# Altium PCB Fri3D_2020_01.PcbDoc (part 2 of 3)
Units mm, origin at the board's own origin, x right, y up, seen from the top; angles counter-clockwise.
Board outline 110 x 100 mm, 2 copper layers (Top Layer, Bottom Layer), stack 1.571 mm thick; 144 components, 114 nets, 669 pads, 306 vias.
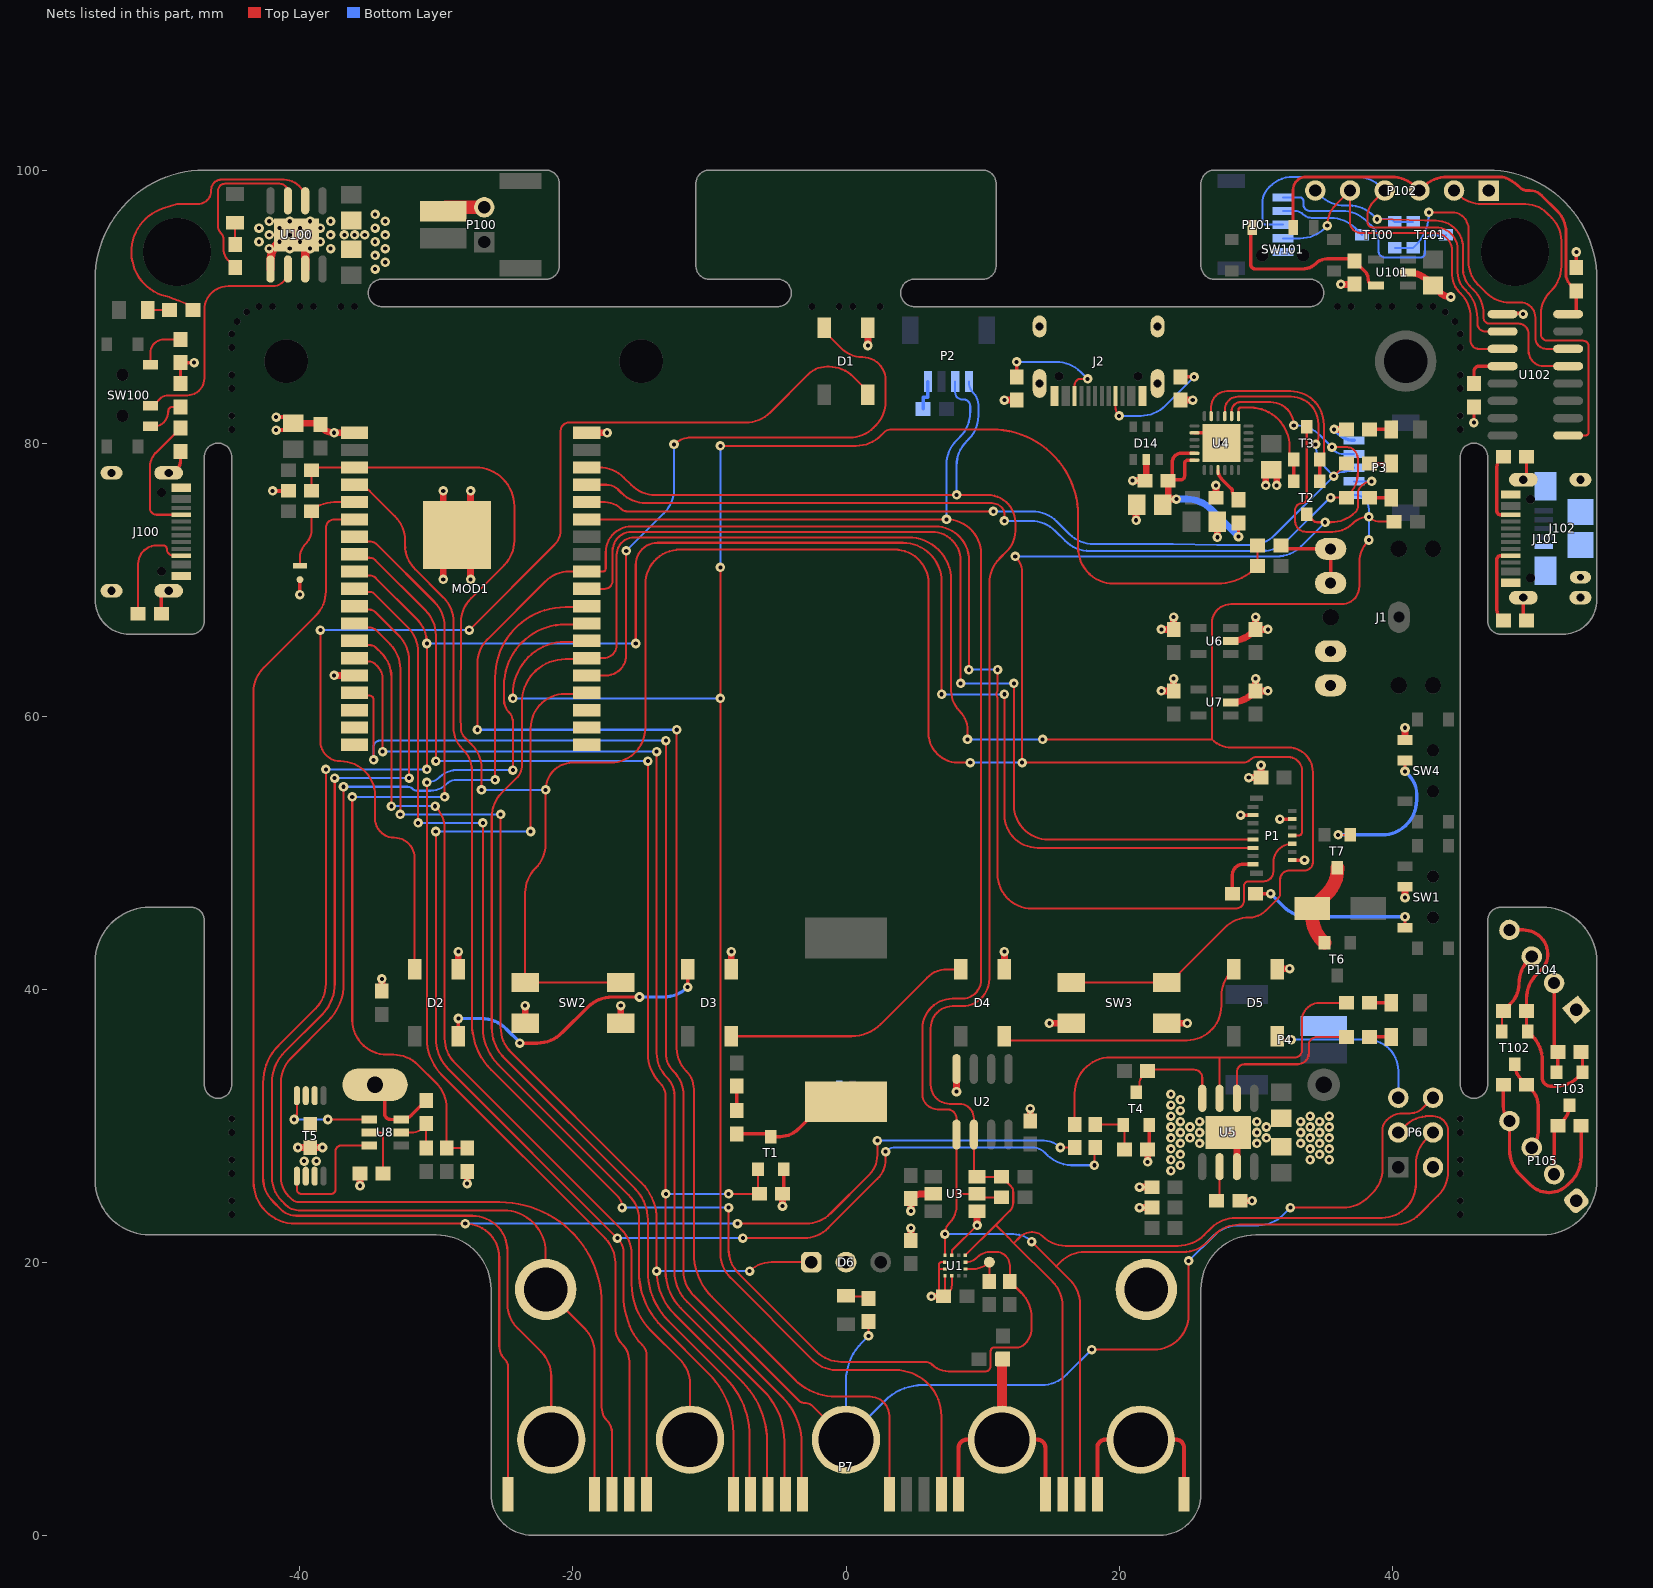
[diagram p2: the nets of this part, all layers, seen from the top]

## Via types
v1: diameter 0.7, hole 0.3, Top Layer to Bottom Layer, tented top, 306 vias

## Nets (pads, with @x,y where several pads share a name; then routed paths per layer and width w, separated by ;. In a path a pad name is that pad's centre, name@x,y a point inside that pad or via, vN(x,y) a via of type N, cw(c..) or ccw(c..) an arc to the next point about the centre after c; other vN are vias at no path point) (continued)
3V3_USB: C13.1 C14.2 R11.1 U4.5 U4.6 | length 16.2
  Top Layer w0.25: C13.1@23.6,77.25 cw(c23.65,77.25) 23.65,77.3 C13.1@23.766,77.3 ; U4.6@25.525,78.75 25.05,78.75 ccw(c25.05,78.5) 24.8,78.5 24.8,77.6 cw(c24.5,77.6) 24.5,77.3 C13.1@23.766,77.3 ; U4.5@25.525,79.25 24.55,79.25 ccw(c24.55,78.6) 23.9,78.6 23.9,77.55 cw(c23.6,77.55) C13.1@23.766,77.3 ; v1@28.75,73.25 R11.1@28.75,74.15
  Top Layer w0.5: C13.1@23.6,77.25 C14.2@23.6,75.9 ; v1(24.2,75.9) C14.2@23.6,75.9 ; C14.2@23.6,75.9 ccw(c23.6,75.5) C14.2@23.2,75.5 ccw(c23.2,75.9) C14.2@23.6,75.9
  Bottom Layer w0.5: v1(24.2,75.9) 24.948,75.9 cw(c24.948,73.36) 26.744,75.156 v1(28.75,73.15)
ACC.INT2: R3.2 TP1.1 U1.11 | length 3.3
  Top Layer w0.15: U1.11@8.75,19.5 9.293,19.5 ccw(c9.293,21.207) TP1.1@10.5,20 R3.2@10.5,18.6
BAT.MON: MOD1.7 R12.2 R17.1 | length 60.2
  Top Layer w0.15: v1(-36.167,54.089) -36.167,37.74 ccw(c-33.627,37.74) -33.627,35.2 -33.152,35.2 cw(c-33.152,32.66) -31.356,34.456 -29.994,33.094 cw(c-31.79,31.298) -29.25,31.298 R12.2@-29.25,28.35 R17.1@-27.75,28.35 ; MOD1.7@-36,73.138 -35.662,72.8 -34.9,72.8 cw(c-34.9,72.044) -34.366,72.579 ; -34.366,72.579 -30.144,68.357 cw(c-31.94,66.561) -29.4,66.561 v1(-29.4,54.089)
  Bottom Layer w0.15: v1(-36.167,54.089) v1(-29.4,54.089)
C\H\R\G\: R19.2 R24.2 U5.7 | length 29.9
  Top Layer w0.15: R19.2@16.75,30.1 16.75,32.36 cw(c19.39,32.36) 19.39,35 27.365,35 ; U5.7@27.365,32 27.365,35 ; R24.2@36.65,39 34.7,39 ccw(c34.7,37.7) 33.4,37.7 33.4,35.5 cw(c32.9,35.5) 32.9,35 27.365,35
CHARGER.E\N\: R18.2 R28.1 T4.1 | length 3.9
  Top Layer w0.15: R18.2@18.25,30.1 20.179,30.1 cw(c20.179,29.929) T4.1@20.3,30.05 cw(c20.058,29.808) 20.4,29.808 R28.1@20.4,28.25
CP2102.DTR: T2.1 T3.2 U4.23 | length 15.3
  Top Layer w0.15: U4.23@26.75,81.975 26.75,82.65 cw(c27.9,82.65) 27.9,83.8 32.56,83.8 cw(c32.56,81.36) 35,81.36 35,79.1 cw(c34.7,79.1) T3.2@34.7,78.8
  Top Layer w0.25: T2.1@34.7,77.2 T3.2@34.7,78.8
CP2102.RTS: T2.2 T3.1 U4.19 | length 8.6
  Top Layer w0.158: U4.19@28.75,81.975 28.75,82.45 cw(c28.9,82.45) 28.9,82.6 29.612,82.6 cw(c29.612,79.712) 32.5,79.712 32.5,79.1 ccw(c32.8,79.1) T3.1@32.8,78.8
  Top Layer w0.25: T2.2@32.8,77.2 T3.1@32.8,78.8
D.3V3: C104.1 SW101.1 U101.5 | length 13.4
  Top Layer w0.25: SW101.1@29.75,95.8 ccw(c29.75,95.687) 29.637,95.687 29.637,93.113 ccw(c30,93.113) 30,92.75 33.439,92.75 ccw(c33.439,94.104) 34.396,93.146 cw(c35.25,92.293) 35.25,93.5 37.1,93.5 cw(c37.1,93.35) C104.1@37.25,93.35 38.003,92.597 cw(c37.405,92) 38.25,92 ccw(c38.7,92) 38.7,91.55 U101.5@38.825,91.55
D.BOOT: P101.5 T101.3 | length 16
  Bottom Layer w0.15: P101.5@32,98 33.25,98 cw(c33.25,97.75) 33.5,97.75 33.5,97.5 ccw(c34,97.5) 34,97 36.348,97 cw(c36.348,94.46) 38.144,96.256 38.646,95.754 cw(c37.793,94.9) 39,94.9 39,94.1 ccw(c39.5,94.1) 39.5,93.6 42.1,93.6 ccw(c42.1,93.9) 42.268,93.651 ccw(c42.1,93.9) 42.4,93.9 42.4,94.683 cw(c42.917,94.683) 42.917,95.2 43.9,95.2 ccw(c43.9,95.25) T101.3@43.95,95.25
D.C\T\S\: P102.2 U102.9 | length 28.8
  Top Layer w0.15: P102.2@44.54,98.5 44.796,98.244 ccw(c46.592,100.04) 46.592,97.5 49.789,97.5 cw(c49.789,95.301) 51.344,96.856 51.7,96.5 cw(c50.01,94.81) 52.4,94.81 52.4,92.952 cw(c49.86,92.952) 51.656,91.156 51.6,91.1 ccw(c53.29,89.41) 50.9,89.41 50.9,88 ccw(c51.4,88) 51.4,87.5 54,87.5 cw(c54,87.097) 54.403,87.097 54.403,80.803 cw(c54.155,80.803) 54.155,80.555 U102.9@52.9,80.555
D.D\T\R\: P102.6 T100.1 T101.2 U102.13 | length 29.6
  Top Layer w0.15: v1(38.9,96.4) 42.422,96.301 42.441,96.3 43.2,96.3 cw(c43.2,94.3) 45.2,94.3 45.2,92.707 ccw(c46.907,92.707) 45.7,91.5 45.956,91.244 cw(c44.16,89.448) 46.7,89.448 46.7,89.2 ccw(c47.15,89.2) 47.15,88.75 49.25,88.75 cw(c49.25,88) 50,88 50,86.75 ccw(c51.115,86.75) 51.115,85.635 U102.13@52.9,85.635
  Bottom Layer w0.15: P102.6@34.38,98.5 34.736,98.144 ccw(c36.532,99.94) 36.532,97.4 36.848,97.4 cw(c36.848,94.86) 38.644,96.656 v1(38.9,96.4) 39.717,96.4 cw(c39.717,95.717) T100.1@40.2,96.2 T101.2@41.55,96.2
D.R\T\S\: T100.2 T101.1 U102.14 | length 21.8
  Top Layer w0.15: v1(42.7,96.9) 44.4,96.9 cw(c44.4,95.7) 45.6,95.7 45.6,93.29 ccw(c47.99,93.29) 46.3,91.6 46.856,91.044 ccw(c48.652,92.84) 48.652,90.3 49.4,90.3 cw(c49.4,89.2) 50.5,89.2 50.5,87.7 ccw(c51.295,87.7) 51.295,86.905 U102.14@52.9,86.905
  Bottom Layer w0.15: T100.2@40.2,94.3 T101.1@41.55,94.3 41.71,94.46 ccw(c39.324,96.849) 42.7,96.849 v1(42.7,96.9)
D.RESET: P101.4 T100.3 | length 6.3
  Bottom Layer w0.15: P101.4@32,97 32.896,97 cw(c32.896,96.146) 33.5,96.75 ccw(c34.104,97.354) 34.104,96.5 35.5,96.5 cw(c35.5,93.965) 37.292,95.758 T100.3@37.8,95.25
D.RXD: P101.2 P102.5 U102.3 | length 27.3
  Top Layer w0.15: v1(35.25,95.925) cw(c37.435,95.925) 35.89,97.47 P102.5@36.92,98.5 36.92,96.18 ccw(c37.7,96.18) 37.7,95.4 43.077,95.4 cw(c43.077,94.077) 44.4,94.077 44.4,92.307 ccw(c46.107,92.307) 44.9,91.1 45.006,90.994 cw(c43.21,89.198) 45.75,89.198 45.75,87.5 ccw(c46.345,87.5) 46.345,86.905 U102.3@48.1,86.905
  Bottom Layer w0.15: P101.2@32,95 33.273,95 ccw(c33.273,97.54) 35.069,95.744 v1(35.25,95.925)
D.TXD: P101.3 P102.4 U102.2 | length 31.8
  Top Layer w0.15: 38.679,97.719 ccw(c39.839,96.561) 38.2,96.561 38.2,96.2 ccw(c38.6,96.2) 38.6,95.8 43.2,95.8 cw(c43.2,94.2) 44.8,94.2 44.8,92.5 ccw(c46.49,92.5) 45.295,91.305 45.404,91.196 cw(c43.365,89.155) 46.25,89.155 ; 38.68,97.72 P102.4@39.46,98.5 ; 46.25,89.154 46.25,88.75 ccw(c46.825,88.75) 46.825,88.175 U102.2@48.1,88.175
  Bottom Layer w0.15: P101.3@32,96 30.75,96 cw(c30.75,96.25) 30.5,96.25 30.5,97.543 cw(c32.207,97.543) 31,98.75 31.043,98.793 cw(c32.75,97.086) 32.75,99.5 37.408,99.5 cw(c37.408,96.96) 39.204,98.756 P102.4@39.46,98.5
D.V: C103.1 P102.3 SW101.2 U102.16 | length 32.7
  Top Layer w0.2: SW101.2@32.75,95.8 32.75,98.55 cw(c33.7,98.55) 33.7,99.5 39.948,99.5 cw(c39.948,96.96) 41.744,98.756 P102.3@42,98.5 42.256,98.756 cw(c44.052,96.96) 44.052,99.5 47.947,99.5 47.948,99.5 cw(c47.948,98.515) 48.326,99.425 cw(c47.072,96.401) 49.388,98.715 ccw(c49.907,99.236) 49.907,98.5 50.1,98.5 cw(c50.1,97.293) 50.953,98.147 52.1,97 cw(c50.531,95.431) 52.75,95.431 52.75,92.214 52.75,92.188 ccw(c54.154,92.545) 53.13,91.52 53.131,91.519 C103.1@53.5,91.15
  Top Layer w0.25: U102.16@52.9,89.445 53.5,89.445 C103.1@53.5,91.15
DNU_SPI.CLK: MOD1.20
DNU_SPI.CS0: MOD1.19
DNU_SPI.D: MOD1.22
DNU_SPI.HD: MOD1.17
DNU_SPI.Q: MOD1.21
DNU_SPI.WP: MOD1.18
ESP.IO0: MOD1.25 P3.5 P7.9 R7.2 SW3.1 T3.3 | length 219.7
  Top Layer w0.15: P7.9@-6.985,3 cw(c-6.804,3.181) -7.06,3.181 -7.06,7.231 ccw(c-13.161,7.231) -8.847,11.545 -13.012,15.71 cw(c-9.378,19.345) -14.518,19.345 -14.518,23.116 ccw(c-17.708,23.116) -15.452,25.371 -25.016,34.935 cw(c-22.76,37.191) -25.95,37.191 -25.95,52.598 cw(c-23.41,52.598) -25.206,54.394 -24.068,55.532 ccw(c-24.836,56.3) -23.75,56.3 -23.75,60.983 cw(c-20.56,60.983) -20.56,64.173 -19.181,64.173 ccw(c-19.181,64.429) MOD1.25@-19,64.248 -17.752,64.248 ccw(c-17.752,65.2) -16.8,65.2 -16.8,71.8 cw(c-15.5,71.8) -15.5,73.1 4.559,73.1 cw(c4.559,69.959) 7.7,69.959 7.7,61.849 ccw(c9.749,61.849) 8.3,60.4 cw(c6.851,58.951) 8.9,58.951 v1(8.9,58.3) ; v1(14.4,58.3) 26.8,58.3 ; SW3.1@16.5,40.5 SW3.1@23.5,40.5 ccw(c23.5,41.104) 23.927,40.677 27.756,44.506 cw(c29.552,42.71) 29.552,45.25 ccw(c29.552,46.935) 30.743,45.743 31.659,46.659 ccw(c31.317,47) 31.8,47 31.8,48 cw(c32.5,48) 32.5,48.7 33.6,48.7 ccw(c33.6,49.3) 34.2,49.3 34.2,55.9 ccw(c32.4,55.9) 32.4,57.7 28.249,57.7 cw(c28.249,59.749) 26.8,58.3 ; T3.3@33.75,81.2 33.75,75.926 cw(c33.424,75.926) 33.424,75.6 ccw(c33.424,75.076) 32.9,75.076 32.9,74.3 ccw(c33.7,74.3) 33.7,73.5 35.644,73.5 ccw(c35.644,75.566) 37.105,74.105 cw(c38.3,72.91) v1(38.3,74.6) ccw(c39.145,75.445) 39.145,74.25 R7.2@40.15,74.25 ; v1(38.3,72.9) ccw(c39.99,71.21) 37.6,71.21 37.6,69.5 cw(c36.3,69.5) 36.3,68.2 28.2,68.2 ccw(c28.2,66.8) 26.8,66.8 26.8,58.3
  Bottom Layer w0.15: v1(8.9,58.3) v1(14.4,58.3) ; P3.5@37.225,76.2 37.276,76.2 cw(c37.276,75.176) 38,75.9 cw(c37.276,75.176) 38.3,75.176 v1(38.3,74.6) v1(38.3,72.9)
ESP.IO2: D1.4 MOD1.24 | length 45.6
  Top Layer w0.15: MOD1.24@-19,62.978 -17.6,62.978 ccw(c-17.6,64.478) -16.279,63.767 ccw(c-17.6,64.478) -16.112,64.288 ccw(c-17.6,64.478) -16.1,64.478 v1(-16.1,72.1) ; v1(-12.6,79.9) cw(c-11.393,78.693) -11.645,80.381 cw(c-11.393,78.693) -11.393,80.4 0.248,80.4 ccw(c0.248,82.94) 2.044,81.144 2.156,81.256 ccw(c0.36,83.052) 2.9,83.052 2.9,84.6 ccw(c1.2,84.6) 1.2,86.3 cw(c1.2,88.473) -0.336,86.936 -1.423,88.023 cw(c-0.996,88.45) D1.4@-1.6,88.45
  Bottom Layer w0.15: v1(-16.1,72.1) -13.344,74.856 ccw(c-15.14,76.652) -12.6,76.652 v1(-12.6,79.9)
ESP.IO4: MOD1.26 P7.17 R35.2 R36.1 | length 159.1
  Top Layer w0.15: v1(-24.4,61.3) -24.4,61.603 cw(c-20.56,61.603) -20.56,65.443 -19.181,65.443 ccw(c-19.181,65.699) MOD1.26@-19,65.518 ; v1(-9.2,70.9) v1(-9.2,61.3) -9.2,20.652 ccw(c-6.66,20.652) -8.456,18.856 -2.387,12.787 -2.386,12.786 ccw(c-0.73,14.443) -0.73,12.1 3.613,12.1 cw(c3.613,8.728) 6.985,8.728 P7.17@6.985,3 ; v1(-9.2,79.8) 0.748,79.8 ccw(c0.748,82.34) 2.544,80.544 2.756,80.756 cw(c3.345,80.167) 3.345,81 10.689,81 cw(c10.689,74.689) 17,74.689 17,72.334 ccw(c19.634,72.334) 19.634,69.7 27.192,69.7 ccw(c27.192,73.703) 30.023,70.873 R35.2@30.15,71 R36.1@30.15,72.5
  Bottom Layer w0.15: v1(-24.4,61.3) v1(-9.2,61.3) ; v1(-9.2,70.9) v1(-9.2,79.8)
ESP.IO5: MOD1.29 P1.9 | length 72.7
  Top Layer w0.15: MOD1.29@-19,69.328 -17.672,69.328 ccw(c-17.672,69.9) -17.1,69.9 -17.1,72.1 cw(c-15.7,72.1) -15.7,73.5 6.282,73.5 cw(c6.282,71.382) 8.4,71.382 v1(8.4,62.4) ; v1(12.3,62.4) 12.3,53.49 ccw(c14.84,53.49) 14.84,50.95 P1.9@29.813,50.95
  Bottom Layer w0.15: v1(8.4,62.4) v1(12.3,62.4)
ESP.IO12: MOD1.14 P7.12 | length 86.6
  Top Layer w0.15: MOD1.14@-36,64.248 -35.752,64 -34.9,64 cw(c-34.9,63.462) -34.52,63.843 -34.313,63.637 cw(c-35.191,62.759) -33.95,62.759 v1@-33.95,57.4 ; v1(-13.868,57.4) -13.868,35.315 ccw(c-11.385,35.315) -13.14,33.56 cw(c-14.523,32.177) -12.568,32.177 -12.568,19.345 ccw(c-9.378,19.345) -11.633,17.089 -4.668,10.124 cw(c-8.092,6.7) -3.25,6.7 -3.25,3.181 ccw(c-2.994,3.181) P7.12@-3.175,3
  Bottom Layer w0.15: v1(-33.941,57.4) v1(-13.868,57.4)
ESP.IO13: MOD1.16 P6.6 P7.13 R13.2 | length 152.2
  Top Layer w0.15: MOD1.16@-36,61.71 -35.79,61.5 -34.9,61.5 cw(c-34.9,61.2) -34.6,61.2 v1(-34.6,56.8) ; v1(-13.2,58.2) -13.2,35.315 ccw(c-11.385,35.315) -12.668,34.032 cw(c-14.523,32.177) -11.9,32.177 -11.9,19.352 ccw(c-9.36,19.352) -11.156,17.556 -3.441,9.841 ccw(c-3.1,10.183) -3.1,9.7 -3.054,9.7 cw(c-3.054,8.846) -2.45,9.45 P7.13@0,7 ; v1(1.65,14.6) R13.2@1.65,15.65 ; v1(18,13.6) 22.56,13.6 ccw(c22.56,16.14) 25.1,16.14 v1(25.1,20.1) ; v1(32.55,23.992) 36.398,23.992 ccw(c36.398,26.634) 38.266,24.766 38.556,25.056 ccw(c36.76,26.852) 39.3,26.852 39.3,29.676 cw(c40.324,29.676) 39.6,30.4 cw(c40.807,29.193) 40.807,30.9 41.3,30.9 ccw(c41.3,32.252) 42.256,31.296 P6.6@43,32.04
  Bottom Layer w0.15: v1(-34.6,56.8) -34.6,57.767 cw(c-34.167,57.767) -34.167,58.2 v1(-13.2,58.2) ; 0,10.374 P7.13@0,7 2.856,9.856 cw(c5.618,7.094) 5.618,11 14.302,11 ccw(c14.302,13.651) 16.177,11.777 v1(18,13.6) ; 0,10.375 0,11.309 ; 0,11.31 cw(c3.959,11.31) 1.16,14.11 v1(1.65,14.6) ; v1(25.1,20.1) 26.956,21.956 cw(c28.752,20.16) 28.752,22.7 30.206,22.7 ccw(c30.206,25.24) 32.002,23.444 v1(32.55,23.992)
ESP.IO14: MOD1.13 P7.7 | length 70.4
  Top Layer w0.15: MOD1.13@-36,65.518 -35.682,65.2 -34.9,65.2 cw(c-34.9,64.493) -34.4,64.993 -34.044,64.637 cw(c-35.84,62.841) -33.3,62.841 v1(-33.3,53.4) ; v1(-30.1,53.4) cw(c-31.79,51.71) -29.4,51.71 -29.4,36.391 ccw(c-26.86,36.391) -28.656,34.595 -16.466,22.404 cw(c-18.312,20.557) -15.7,20.557 -15.7,18.391 ; -15.7,18.39 ccw(c-10.896,18.39) -14.293,14.993 -14.292,14.992 -12.174,12.874 cw(c-13.97,11.078) -11.43,11.078 P7.7@-11.43,7
  Bottom Layer w0.15: v1(-33.3,53.4) v1(-30.1,53.4)
ESP.IO15: MOD1.23 P7.6 R18.1 | length 114.5
  Top Layer w0.15: v1(-30.05,51.55) -30.05,36.391 ccw(c-26.86,36.391) -29.116,34.135 v1(-16.744,21.763) cw(c-17.816,20.691) -16.3,20.691 -16.3,17.609 ; v1(-23.1,51.55) -23.1,59.095 cw(c-20.56,59.095) -20.56,61.635 -19.181,61.635 ccw(c-19.181,61.891) MOD1.23@-19,61.71 ; -16.3,17.608 ccw(c-10.283,17.608) -15.842,15.306 ; -15.842,15.305 ccw(c-11.968,16.91) -14.932,13.944 cw(c-15.726,13.153) -14.605,13.153 P7.6@-14.605,3 ; v1(-7.553,21.763) -3.089,21.763 ccw(c-3.089,24.303) -1.293,22.507 2.3,26.1 ; 2.3,26.1 ccw(c0.851,27.549) 2.9,27.549 v1(2.9,28.1) ; v1(18.2,27.1) 18.2,28.28 cw(c18.37,28.28) R18.1@18.25,28.4
  Bottom Layer w0.15: v1(-30.05,51.55) v1(-23.1,51.55) ; v1(-16.744,21.763) v1(-7.553,21.763) ; v1(2.9,28.1) cw(c3.624,27.376) 3.624,28.4 13.634,28.4 cw(c13.634,27.034) 14.6,28 14.756,27.844 ccw(c16.552,29.64) 16.489,27.101 ccw(c16.552,29.64) 16.552,27.1 v1(18.2,27.1)
ESP.IO16: MOD1.27 P7.5 | length 79.4
  Top Layer w0.15: v1(-30.7,55.15) -30.7,36.391 ccw(c-26.86,36.391) -29.575,33.675 -17.644,21.744 cw(c-19.44,19.948) -16.9,19.948 -16.9,15.207 ccw(c-15.193,15.207) -16.4,14 cw(c-17.667,12.733) -15.875,12.733 P7.5@-15.875,3 ; v1(-24.4,56.05) -24.4,59.576 ccw(c-25.424,59.576) -24.7,60.3 cw(c-23.855,61.145) -25.05,61.145 -25.05,62.223 cw(c-20.56,62.223) -20.56,66.713 -19.181,66.713 ccw(c-19.181,66.969) MOD1.27@-19,66.788
  Bottom Layer w0.15: v1(-30.7,55.15) ccw(c-30.7,56.478) -29.761,55.539 cw(c-28.527,54.305) -28.527,56.05 v1(-24.4,56.05)
ESP.IO17: MOD1.28 P7.4 | length 101.8
  Top Layer w0.15: v1@-36.8,54.826 -36.8,40.391 cw(c-40.64,40.391) -37.925,37.675 -40.656,34.944 ccw(c-38.86,33.148) -41.4,33.148 -41.4,26.2 ccw(c-39.469,26.2) -40.834,24.834 -40.612,24.612 ccw(c-40.1,25.124) -40.1,24.4 -25.38,24.4 cw(c-25.38,16.92) -17.9,16.92 -17.9,9.366 ccw(c-16.534,9.366) -17.5,8.4 cw(c-18.357,7.543) -17.145,7.543 P7.4@-17.145,3 ; v1(-25.7,55.326) -25.7,62.843 cw(c-20.56,62.843) -20.56,67.983 -19.181,67.983 ccw(c-19.181,68.239) MOD1.28@-19,68.058
  Bottom Layer w0.15: v1(-36.812,54.826) -32.129,54.826 cw(c-32.129,54.286) -31.747,54.668 ccw(c-31.419,54.996) -31.419,54.532 -30.429,54.532 ccw(c-30.429,56.129) -29.3,55 cw(c-28.512,54.212) -28.512,55.326 v1(-25.7,55.326)
ESP.IO25: MOD1.10 P7.8 | length 80.3
  Top Layer w0.15: MOD1.10@-36,69.328 -35.772,69.1 -34.9,69.1 cw(c-34.9,68.61) -34.553,68.956 -32.094,66.497 cw(c-33.89,64.701) -31.35,64.701 v1(-31.35,52.175) ; v1(-26.6,52.175) -26.6,37.191 ccw(c-22.76,37.191) -25.475,34.475 -15.912,24.912 cw(c-17.708,23.116) -15.168,23.116 -15.168,19.345 ccw(c-9.378,19.345) -13.472,15.251 -10.042,11.821 cw(c-14.356,7.507) -8.255,7.507 P7.8@-8.255,3
  Bottom Layer w0.15: v1(-31.35,52.175) v1(-26.6,52.175)
ESP.IO26: MOD1.11 P7.3 pad.0@-22,18 | length 93.4
  Top Layer w0.15: v1@-37.45,55.463 -37.45,40.391 cw(c-40.64,40.391) -38.384,38.135 -41.116,35.404 ccw(c-38.86,33.148) -42.05,33.148 -42.05,26.2 ccw(c-39.639,26.2) -41.344,24.495 -41.036,24.188 ccw(c-40.1,25.124) -40.1,23.8 -25.093,23.8 cw(c-25.093,20.707) -22,20.707 pad.0@-22,18 -19.159,15.159 cw(c-20.955,13.363) -18.415,13.363 P7.3@-18.415,3 ; MOD1.11@-36,68.058 -35.742,67.8 -34.9,67.8 cw(c-34.9,67.237) -34.502,67.635 -32.744,65.877 cw(c-34.54,64.081) -32,64.081 v1(-32,55.463)
  Bottom Layer w0.15: v1(-37.456,55.463) v1(-32,55.463)
ESP.IO27: D6.1 MOD1.12 P7.10 | length 91.9
  Top Layer w0.15: MOD1.12@-36,66.788 -35.712,66.5 -34.9,66.5 cw(c-34.9,65.865) -34.451,66.314 ; -34.451,66.314 -33.394,65.257 cw(c-35.19,63.461) -32.65,63.461 v1(-32.65,52.8) ; v1(-25.3,52.8) -25.3,37.191 ccw(c-22.76,37.191) -24.556,35.395 -14.992,25.831 cw(c-17.708,23.116) -13.868,23.116 v1(-13.868,19.345) ccw(c-9.378,19.345) -12.553,16.17 -7.577,11.194 cw(c-11.891,6.88) -5.79,6.88 -5.79,3.181 ccw(c-5.534,3.181) P7.10@-5.715,3 ; v1(-7.055,19.345) cw(c-5.473,17.763) -5.473,20 D6.1@-2.54,20
  Bottom Layer w0.15: v1(-32.65,52.8) v1(-25.3,52.8) ; v1(-13.868,19.345) v1(-7.055,19.345)
ESP.IO32: MOD1.8 P7.11 R5.1 T1.1 | length 99.6
  Top Layer w0.15: MOD1.8@-36,71.868 -35.732,71.6 -34.9,71.6 cw(c-34.9,71.013) -34.485,71.428 -30.794,67.737 cw(c-32.59,65.941) -30.05,65.941 v1@-30.05,56.7 ; v1(-14.518,56.7) -14.518,35.315 ccw(c-11.385,35.315) -13.6,33.1 cw(c-14.523,32.177) -13.218,32.177 -13.218,19.345 ccw(c-9.378,19.345) -12.093,16.629 -6.045,10.581 cw(c-9.726,6.9) -4.52,6.9 -4.52,3.181 ccw(c-4.264,3.181) P7.11@-4.445,3 ; v1(-8.6,25) R5.1@-6.35,25 cw(c-6.108,25.242) -6.45,25.242 T1.1@-6.45,26.8
  Bottom Layer w0.15: v1(-30.045,56.7) v1(-14.518,56.7) ; v1(-13.2,25) v1(-8.6,25)
ESP.IO33: MOD1.9 P1.11 P7.2 | length 179.3
  Top Layer w0.15: v1(-38.1,56.1) -38.1,40.391 cw(c-40.64,40.391) -38.844,38.595 -41.575,35.863 ccw(c-38.86,33.148) -42.7,33.148 -42.7,26.2 ccw(c-40.22,26.2) -41.974,24.446 -41.376,23.849 ccw(c-40.293,24.931) -40.293,23.4 -27.369,23.4 cw(c-27.369,20.831) -24.8,20.831 -24.8,16.952 ccw(c-22.26,16.952) -24.056,15.156 -22.334,13.434 cw(c-24.13,11.638) -21.59,11.638 P7.2@-21.59,7 ; MOD1.9@-36,70.598 -35.702,70.3 -34.9,70.3 cw(c-34.9,69.641) -34.434,70.107 -31.444,67.117 cw(c-33.24,65.321) v1(-30.7,65.321) v1(-30.7,56.1) ; v1(-15.4,65.321) -15.4,71.1 cw(c-13.8,71.1) -13.8,72.7 4.159,72.7 cw(c4.159,69.859) 7,69.859 v1(7,61.6) ; v1(11.6,61.6) 11.6,52.79 ccw(c14.04,52.79) 14.04,50.35 P1.11@29.813,50.35
  Bottom Layer w0.15: v1(-38.1,56.1) v1(-30.7,56.1) ; v1(-30.7,65.321) v1(-15.4,65.321) ; v1(7,61.6) v1(11.6,61.6)
ESP.IO34: MOD1.6 P7.1 R19.1 | length 139.2
  Top Layer w0.15: MOD1.6@-36,74.408 -37.492,74.408 ccw(c-37.492,73.8) -38.1,73.8 -38.1,69.152 cw(c-40.64,69.152) -38.844,67.356 -42.656,63.544 ccw(c-40.86,61.748) -43.4,61.748 -43.4,35.534 -43.4,25.886 ccw(c-40.334,25.886) -40.334,22.82 v1(-27.889,22.82) cw(c-27.889,20.331) -25.4,20.331 -25.4,13.866 ccw(c-24.034,13.866) -25,12.9 cw(c-25.567,12.333) -24.765,12.333 P7.1@-24.765,3 ; v1(-7.949,22.82) -2.932,22.82 ccw(c-2.932,25.36) -1.136,23.564 1.7,26.4 ccw(c0.251,27.849) 2.3,27.849 v1(2.3,28.9) ; v1(15.7,28.4) R19.1@16.75,28.4
  Bottom Layer w0.15: v1(-27.889,22.82) v1(-7.949,22.82) ; v1(2.3,28.9) 14.493,28.9 cw(c14.493,27.193) v1(15.7,28.4)
ESP.IO36: MOD1.4 R2.2 U1.12 | length 109.2
  Top Layer w0.15: MOD1.4@-36,76.948 cw(c-36,75.374) -34.887,76.487 -33.044,74.644 cw(c-34.84,72.848) -32.3,72.848 -32.3,72.552 ccw(c-29.76,72.552) -31.556,70.756 -29.492,68.692 cw(c-31.285,66.9) -28.75,66.9 -28.75,59.169 ccw(c-26.531,59.169) -28.1,57.6 -28.044,57.544 cw(c-29.599,55.989) -27.4,55.989 -27.4,37.501 ; -27.4,37.5 ccw(c-22.572,37.5) -25.986,34.086 -25.985,34.085 -16.753,24.853 cw(c-17.607,24) v1(-16.4,24) ; v1(-8.6,24) -8.6,20.952 ccw(c-6.06,20.952) -7.856,19.156 -2.144,13.444 ccw(c-0.348,15.24) -0.348,12.7 5.817,12.7 cw(c5.817,12.017) 6.3,12.5 ccw(c7.507,13.707) 7.507,12 10.2,12 ccw(c10.2,12.4) 10.6,12.4 10.6,13.5 cw(c10.85,13.5) 10.85,13.75 12.496,13.75 ccw(c12.496,14.604) 13.1,14 ccw(c11.893,15.207) 13.6,15.207 13.6,15.948 ccw(c11.06,15.948) 12.856,17.744 R2.2@12,18.6 12,19.75 ccw(c11,19.75) 11,20.75 10.561,20.75 ccw(c10.561,19.396) 9.604,20.354 cw(c8.75,21.207) U1.12@8.75,20